# Allegro board S071AA-0413-20260427_Power3.brd (continued)
## Nets (continued)
UT4_UW07: UTL4.B06
UT4_UW08: UTL4.A07
UT4_UW09: UTL4.B08
UT4_UW10: UTL4.A09
UT4_UW11: UTL4.B10
UT4_UW12: UTL4.A11
UT4_UW13: UTL4.B12
UT4_UW14: UTL4.A13
UT4_UW15: UTL4.B14
N18284685: KB2-4.1(TP) KS2.4
N18284703: LDB2.1(A) LRB2.2
N18284711: KB2-3.1(TP) KS2.3
N18284713: KB2-6.1(TP) KS2.6
N18284719: KB2-7.1(TP) KS2.7
N18284723: LDB3.1(A) LRB3.2
N18284731: KB1-4.1(TP) KS1.4
N18284735: KB1-3.1(TP) KS1.3
N18284737: KB1-6.1(TP) KS1.6
N18284739: KB1-7.1(TP) KS1.7
N18284747: KB1-2.1(TP) KS1.2
N18284749: KB1-8.1(TP) KS1.8
N18284751: KB2-2.1(TP) KS2.2
N18284753: KB2-8.1(TP) KS2.8
N18285026: LDB4.1(A) LRB4.2
N18285036: LDB5.1(A) LRB5.2
N18285067: KB4-4.1(TP) KS4.4
N18285069: KB4-5.1(TP) KS4.5
N18285071: KB4-8.1(TP) KS4.8
N18285089: KB3-8.1(TP) KS3.8
N18285091: KB3-4.1(TP) KS3.4
N18285093: KB3-5.1(TP) KS3.5
N18285182: LDB1.1(A) LRB1.1
N22954976: LD15.1(A) R15.1
N22955016: LD16.1(A) R16.1
N22955678: LD1.1(A) R1.1
N22955710: LD2.1(A) R2.1
N22955758: LD3.1(A) R3.1
N22955802: LD4.1(A) R4.1
N22955842: LD5.1(A) R5.1
N22955878: LD6.1(A) R6.1
N22955926: LD7.1(A) R7.1
N22955970: LD8.1(A) R8.1
N22956024: LD9.1(A) R9.1
N22956064: LD10.1(A) R10.1
N22956104: LD11.1(A) R11.1
N22956144: LD12.1(A) R12.1
N22956184: LD13.1(A) R13.1
N22956224: LD14.1(A) R14.1
N22963164: LD19.1(A) R19.1
N22963523: LD20.1(A) R20.1
N22963871: LD21.1(A) R21.1
N22964216: LD22.1(A) R22.1
N22964605: LD23.1(A) R23.1
N22964637: LD24.1(A) R24.1
N22965490: LD17.1(A) R17.1
N22965526: LD18.1(A) R18.1
N22974884: LD25.1(A) R25.1
N22974900: LD26.1(A) R26.1
N22974958: LD29.1(A) R29.1
N22975006: LD27.1(A) R27.1
N22975038: LD28.1(A) R28.1
N22975098: LD30.1(A) R30.1
N22976209: LD31.1(A) R31.1
N22976245: LD32.1(A) R32.1
N22984719: LD33.1(A) R33.1
N22984755: LD34.1(A) R34.1
N22984791: LD35.1(A) R35.1
N22984831: LD36.1(A) R36.1
N22984875: LD37.1(A) R37.1
N22984899: LD38.1(A) R38.1
N22984935: LD39.1(A) R39.1
N22984991: LD40.1(A) R40.1
N22985097: LD41.1(A) R41.1
N22985125: LD42.1(A) R42.1
N22988922: LD43.1(A) R43.1
N22989162: LD44.1(A) R44.1
N23040624: LD45.1(A) R45.1
N23040666: K45.4 OSC1.3(OUT)
N23043619: R123.1 R124.1 SH3.2
N23043647: R127.1 R128.1 SH4.2
N23050554: LD46.1(A) R46.1
N23057413: R129.1 R130.1 SH5.2
N23057441: R133.1 R134.1 SH6.2
N23058541: R135.1 R136.1 SH7.2
N23058569: R139.1 R140.1 SH8.2
N23059275: R141.1 R142.1 SH9.2
N23059303: R145.1 R146.1 SH10.2
N23060072: R147.1 R148.1 SH11.2
N23060100: R151.1 R152.1 SH12.2
N23060930: R153.1 R154.1 SH13.2
N23060958: R157.1 R158.1 SH14.2
N23062789: R159.1 R160.1 SH15.2
N23062817: R163.1 R164.1 SH16.2

Pads without a net: BGA289-12X12-P0.65 1; CSDPS225 A17 B17 C17 D17; CSDPS226 A17 D17; CSDPS229 A17 B17 C17 D17; CSDPS425 A17 B17 C17 D17; CSDPS426 A17 D17; CSDPS429 A17 B17 C17 D17; D101 17 A17 B17; D102 17 A17 B17; D103 17 A17 B17; D104 17 A17 B17; D105 17 A17 B17; D106 17 A17 B17; D107 17 A17 B17; D108 17 A17 B17; D109 17 A17 B17; D110 17 A17 B17; D111 17 A17 B17; D112 17 A17 B17; D113 17 A17 B17; D114 17 A17 B17; D115 17 A17 B17; D116 17 A17 B17; D117 17 A17 B17; D118 17 A17 B17; D119 17 A17 B17; D120 17 A17 B17; D121 17 A17 B17; D122 17 A17 B17; D123 17 A17 B17; D124 17 A17 B17; D227 01 02 03 05 06 07 08 09 10 11 12 13 14 15 16 17; D228 01 02 03 05 06 07 08 09 10 11 12 13 14 15 16 17; D301 01 02 03 04 05 06 07 08 09 10 11 12 13 14 15 16 17 A1 A2 A3 A4 A5 A6 A7 A8 A9 A10 A11 A12 A13 A14 A15 A16 A17 B1 B2 B3 B4 B5 B6 B7 B8 B9 B10 B11 B12 B13 B14 B15 B16 B17; D302 01 02 03 04 05 06 07 08 09 10 11 12 13 14 15 16 17 A1 A2 A3 A4 A5 A6 A7 A8 A9 A10 A11 A12 A13 A14 A15 A16 A17 B1 B2 B3 B4 B5 B6 B7 B8 B9 B10 B11 B12 B13 B14 B15 B16 B17; D303 01 02 03 04 05 06 07 08 09 10 11 12 13 14 15 16 17 A1 A2 A3 A4 A5 A6 A7 A8 A9 A10 A11 A12 A13 A14 A15 A16 A17 B1 B2 B3 B4 B5 B6 B7 B8 B9 B10 B11 B12 B13 B14 B15 B16 B17; D304 01 02 03 04 05 06 07 08 09 10 11 12 13 14 15 16 17 A1 A2 A3 A4 A5 A6 A7 A8 A9 A10 A11 A12 A13 A14 A15 A16 A17 B1 B2 B3 B4 B5 B6 B7 B8 B9 B10 B11 B12 B13 B14 B15 B16 B17; D305 01 02 03 04 05 06 07 08 09 10 11 12 13 14 15 16 17 A1 A2 A3 A4 A5 A6 A7 A8 A9 A10 A11 A12 A13 A14 A15 A16 A17 B1 B2 B3 B4 B5 B6 B7 B8 B9 B10 B11 B12 B13 B14 B15 B16 B17; D306 01 02 03 04 05 06 07 08 09 10 11 12 13 14 15 16 17 A1 A2 A3 A4 A5 A6 A7 A8 A9 A10 A11 A12 A13 A14 A15 A16 A17 B1 B2 B3 B4 B5 B6 B7 B8 B9 B10 B11 B12 B13 B14 B15 B16 B17; D307 01 02 03 04 05 06 07 08 09 10 11 12 13 14 15 16 17 A1 A2 A3 A4 A5 A6 A7 A8 A9 A10 A11 A12 A13 A14 A15 A16 A17 B1 B2 B3 B4 B5 B6 B7 B8 B9 B10 B11 B12 B13 B14 B15 B16 B17; D308 01 02 03 04 05 06 07 08 09 10 11 12 13 14 15 16 17 A1 A2 A3 A4 A5 A6 A7 A8 A9 A10 A11 A12 A13 A14 A15 A16 A17 B1 B2 B3 B4 B5 B6 B7 B8 B9 B10 B11 B12 B13 B14 B15 B16 B17; D309 01 02 03 04 05 06 07 08 09 10 11 12 13 14 15 16 17 A1 A2 A3 A4 A5 A6 A7 A8 A9 A10 A11 A12 A13 A14 A15 A16 A17 B1 B2 B3 B4 B5 B6 B7 B8 B9 B10 B11 B12 B13 B14 B15 B16 B17; D310 01 02 03 04 05 06 07 08 09 10 11 12 13 14 15 16 17 A1 A2 A3 A4 A5 A6 A7 A8 A9 A10 A11 A12 A13 A14 A15 A16 A17 B1 B2 B3 B4 B5 B6 B7 B8 B9 B10 B11 B12 B13 B14 B15 B16 B17; D311 01 02 03 04 05 06 07 08 09 10 11 12 13 14 15 16 17 A1 A2 A3 A4 A5 A6 A7 A8 A9 A10 A11 A12 A13 A14 A15 A16 A17 B1 B2 B3 B4 B5 B6 B7 B8 B9 B10 B11 B12 B13 B14 B15 B16 B17; D312 01 02 03 04 05 06 07 08 09 10 11 12 13 14 15 16 17 A1 A2 A3 A4 A5 A6 A7 A8 A9 A10 A11 A12 A13 A14 A15 A16 A17 B1 B2 B3 B4 B5 B6 B7 B8 B9 B10 B11 B12 B13 B14 B15 B16 B17; D313 01 02 03 04 05 06 07 08 09 10 11 12 13 14 15 16 17 A1 A2 A3 A4 A5 A6 A7 A8 A9 A10 A11 A12 A13 A14 A15 A16 A17 B1 B2 B3 B4 B5 B6 B7 B8 B9 B10 B11 B12 B13 B14 B15 B16 B17; D314 01 02 03 04 05 06 07 08 09 10 11 12 13 14 15 16 17 A1 A2 A3 A4 A5 A6 A7 A8 A9 A10 A11 A12 A13 A14 A15 A16 A17 B1 B2 B3 B4 B5 B6 B7 B8 B9 B10 B11 B12 B13 B14 B15 B16 B17; D315 01 02 03 04 05 06 07 08 09 10 11 12 13 14 15 16 17 A1 A2 A3 A4 A5 A6 A7 A8 A9 A10 A11 A12 A13 A14 A15 A16 A17 B1 B2 B3 B4 B5 B6 B7 B8 B9 B10 B11 B12 B13 B14 B15 B16 B17; D316 01 02 03 04 05 06 07 08 09 10 11 12 13 14 15 16 17 A1 A2 A3 A4 A5 A6 A7 A8 A9 A10 A11 A12 A13 A14 A15 A16 A17 B1 B2 B3 B4 B5 B6 B7 B8 B9 B10 B11 B12 B13 B14 B15 B16 B17; D317 01 02 03 04 05 06 07 08 09 10 11 12 13 14 15 16 17 A1 A2 A3 A4 A5 A6 A7 A8 A9 A10 A11 A12 A13 A14 A15 A16 A17 B1 B2 B3 B4 B5 B6 B7 B8 B9 B10 B11 B12 B13 B14 B15 B16 B17; D318 01 02 03 04 05 06 07 08 09 10 11 12 13 14 15 16 17 A1 A2 A3 A4 A5 A6 A7 A8 A9 A10 A11 A12 A13 A14 A15 A16 A17 B1 B2 B3 B4 B5 B6 B7 B8 B9 B10 B11 B12 B13 B14 B15 B16 B17; D319 01 02 03 04 05 06 07 08 09 10 11 12 13 14 15 16 17 A1 A2 A3 A4 A5 A6 A7 A8 A9 A10 A11 A12 A13 A14 A15 A16 A17 B1 B2 B3 B4 B5 B6 B7 B8 B9 B10 B11 B12 B13 B14 B15 B16 B17; D320 01 02 03 04 05 06 07 08 09 10 11 12 13 14 15 16 17 A1 A2 A3 A4 A5 A6 A7 A8 A9 A10 A11 A12 A13 A14 A15 A16 A17 B1 B2 B3 B4 B5 B6 B7 B8 B9 B10 B11 B12 B13 B14 B15 B16 B17; D321 01 02 03 04 05 06 07 08 09 10 11 12 13 14 15 16 17 A1 A2 A3 A4 A5 A6 A7 A8 A9 A10 A11 A12 A13 A14 A15 A16 A17 B1 B2 B3 B4 B5 B6 B7 B8 B9 B10 B11 B12 B13 B14 B15 B16 B17; D322 01 02 03 04 05 06 07 08 09 10 11 12 13 14 15 16 17 A1 A2 A3 A4 A5 A6 A7 A8 A9 A10 A11 A12 A13 A14 A15 A16 A17 B1 B2 B3 B4 B5 B6 B7 B8 B9 B10 B11 B12 B13 B14 B15 B16 B17; D323 01 02 03 04 05 06 07 08 09 10 11 12 13 14 15 16 17 A1 A2 A3 A4 A5 A6 A7 A8 A9 A10 A11 A12 A13 A14 A15 A16 A17 B1 B2 B3 B4 B5 B6 B7 B8 B9 B10 B11 B12 B13 B14 B15 B16 B17; D324 01 02 03 04 05 06 07 08 09 10 11 12 13 14 15 16 17 A1 A2 A3 A4 A5 A6 A7 A8 A9 A10 A11 A12 A13 A14 A15 A16 A17 B1 B2 B3 B4 B5 B6 B7 B8 B9 B10 B11 B12 B13 B14 B15 B16 B17; D427 01 02 03 04 05 06 07 08 09 10 11 12 13 14 15 16 17; D428 01 02 03 04 05 06 07 08 09 10 11 12 13 14 15 16 17; DPS1 A04 A08 A10 A14 B04 B08 B10 B14 C04 C08 C10 C14; DPS2 A04 A08 A10 A14 B04 B08 B10 B14 C04 C08 C10 C14; DPS3 A04 A08 A10 A14 B04 B08 B10 B14 C04 C08 C10 C14; DPS8 A04 A08 A10 A14 B04 B08 B10 B14 C04 C08 C10 C14; FD1 1; FD2 1; FD3 1; FD4 1; FD5 1; FD6 1; FD7 1; FD8 1; FD9 1; FD10 1; FD11 1; FD12 1; FD13 1; FD14 1; FD15 1; FD16 1; FSS0AS071A 1; JG-250905AA011 1; K1 2; K2 2; K3 2; K4 2; K5 2; K6 2; K7 2; K8 2; K9 2; K10 2; K11 2; K12 2; K13 2; K14 2; K15 2; K16 2; K17 2; K18 2; K19 2; K20 2; K21 2; K22 2; K23 2; K24 2; K25 2; K26 2; K27 2; K28 2; K29 2; K30 2; K31 2; K32 2; K33 2; K34 2; K35 2; K36 2; K37 2; K38 2; K39 2; K40 2; K41 2; K42 2; K43 2; K44 2; K45 5 6 7; K46 2 7; KS3 2; KS4 2; LOGO1 1; LOGO2 1; M5 1; OSC1 1; SCREW1 NUT19 NUT20 NUT21 NUT22; SITE1 NUT1 NUT2 NUT3 NUT4 NUT5 NUT6 NUT7 NUT8; UNK038FY-S135BB14Q-A100 1; UNK980FY-S071AA-1AH 1; UTL1 A17 B17; UTL2 A17 B17; UTL3 A17 B17; UTL4 A17 B17

## Via types
v1: diameter 0.61, hole 0.305, TOP to BOTTOM, 1094 vias
v2: diameter 0.305, hole 0.152, TOP to BOTTOM, 358 vias

## Routing (per net, layer and track width the routed paths; a pad name or vN(x,y) marks a point on that pad's centre or on a via; arc(x,y) is an arc through that point)
AGND: length 94137.5
  TOP w0.152: D110.B15 241.57,351.59 ; D110.B15 240.5,350.52 ; D110.B15 242.64,350.52 ; D110.B15 241.57,349.45 ; D116.A6 190.77,394.77 ; D116.A6 191.84,393.7 ; D116.A6 190.77,392.63 ; D116.A6 189.7,393.7 ; 90.64,35.56 D124.A2 ; D124.A2 91.71,36.63 ; D124.A2 92.78,35.56 ; D124.A2 91.71,34.49 ; D124.B11 114.57,39.17 ; D124.B11 113.5,38.1 ; D124.B11 115.64,38.1 ; D124.B11 114.57,37.03 ; 240.5,58.42 D107.B3 ; D107.B3 241.57,57.35 ; D107.B3 242.64,58.42 ; D107.B3 241.57,59.49 ; D107.B13 266.97,59.49 ; D107.B13 266.97,57.35 ; D107.B13 265.9,58.42 ; D107.B13 268.04,58.42 ; D112.A9 256.81,397.31 ; D112.A9 257.88,396.24 ; D112.A9 256.81,395.17 ; D112.A9 255.74,396.24 ; 189.7,368.3 D115.B6 ; D115.B6 191.84,368.3 ; D115.B6 190.77,367.23 ; D115.B6 190.77,369.37 ; 261.89,349.45 D110.B7 ; D110.B7 262.96,350.52 ; D110.B7 260.82,350.52 ; D110.B7 261.89,351.59 ; 235.42,73.66 D106.A1 ; D106.A1 236.49,72.59 ; D106.A1 236.49,74.73 ; D106.A1 237.56,73.66 ; 239.03,80.21 D106.B2 ; D106.B2 239.03,82.35 ; D106.B2 240.1,81.28 ; D106.B2 237.96,81.28 ; D122.B16 127.27,82.35 ; D122.B16 128.34,81.28 ; D122.B16 127.27,80.21 ; D122.B16 126.2,81.28 ; DPS1.A15 273.12,13.97 ; DPS1.A15 270.98,13.97 ; DPS1.A15 272.05,15.04 ; DPS1.A15 272.05,12.9 ; 14.44,401.32 D432.B17 ; D432.B17 15.51,402.39 ; D432.B17 16.58,401.32 ; D432.B17 15.51,400.25 ; 113.5,73.66 D122.A11 ; D122.A11 114.57,74.73 ; D122.A11 114.57,72.59 ; D122.A11 115.64,73.66 ; D231.A10 34.36,373.38 ; D231.A10 33.29,374.45 ; D231.A10 32.22,373.38 ; D231.A10 33.29,372.31 ; D232.A11 30.75,397.31 ; D232.A11 30.75,395.17 ; D232.A11 29.68,396.24 ; D232.A11 31.82,396.24 ; D115.B1 204.54,370.84 ; D115.B1 202.4,370.84 ; D115.B1 203.47,371.91 ; D115.B1 203.47,369.77 ; 175.53,54.81 D103.A6 ; D103.A6 175.53,56.95 ; D103.A6 176.6,55.88 ; D103.A6 174.46,55.88 ; 109.49,329.13 CSDPS225.C9 ; CSDPS225.C9 110.56,330.2 ; CSDPS225.C9 109.49,331.27 ; CSDPS225.C9 108.42,330.2 ; D232.B15 20.59,392.23 ; D232.B15 20.59,390.09 ; D232.B15 19.52,391.16 ; D232.B15 21.66,391.16 ; 25.67,339.29 CSDPS429.C13 ; CSDPS429.C13 26.74,340.36 ; CSDPS429.C13 25.67,341.43 ; CSDPS429.C13 24.6,340.36 ; D120.B5 26.74,38.1 ; D120.B5 24.6,38.1 ; D120.B5 25.67,39.17 ; D120.B5 25.67,37.03 ; 50,73.66 D118.A15 ; D118.A15 51.07,74.73 ; D118.A15 52.14,73.66 ; D118.A15 51.07,72.59 ; D427.B10 108.02,378.46 ; D427.B10 105.88,378.46 ; D427.B10 106.95,377.39 ; D427.B10 106.95,379.53 ; 187.16,391.16 D116.B7 ; D116.B7 188.23,392.23 ; D116.B7 188.23,390.09 ; D116.B7 189.3,391.16 ; D228.B5 120.72,391.16 ; D228.B5 118.58,391.16 ; D228.B5 119.65,390.09 ; D228.B5 119.65,392.23 ; 197.32,355.6 D114.A3 ; D114.A3 199.46,355.6 ; D114.A3 198.39,356.67 ; D114.A3 198.39,354.53 ; 272.05,334.21 D109.A3 ; D109.A3 272.05,336.35 ; D109.A3 270.98,335.28 ; D109.A3 273.12,335.28 ; CSDPS225.B4 123.26,332.74 ; CSDPS225.B4 122.19,331.67 ; CSDPS225.B4 121.12,332.74 ; CSDPS225.B4 122.19,333.81 ; D113.B16 166.44,327.66 ; D113.B16 165.37,328.73 ; D113.B16 165.37,326.59 ; D113.B16 164.3,327.66 ; 45.87,361.95 UHC430.G2 ; UHC430.G2 46.68,362.76 ; UHC430.G2 46.68,361.14 ; UHC430.G2 47.49,361.95 ; D123.A11 114.57,54.41 ; D123.A11 114.57,52.27 ; D123.A11 115.64,53.34 ; D123.A11 113.5,53.34 ; D124.A9 110.56,33.02 ; D124.A9 108.42,33.02 ; D124.A9 109.49,31.95 ; D124.A9 109.49,34.09 ; 169.38,60.96 D103.B4 ; D103.B4 170.45,62.03 ; D103.B4 170.45,59.89 ; D103.B4 171.52,60.96 ; 90.64,378.46 D427.B16 ; D427.B16 91.71,379.53 ; D427.B16 92.78,378.46 ; D427.B16 91.71,377.39 ; D228.A14 97.86,393.7 ; D228.A14 95.72,393.7 ; D228.A14 96.79,392.63 ; D228.A14 96.79,394.77 ; 182.08,38.1 D104.B9 ; D104.B9 184.22,38.1 ; D104.B9 183.15,37.03 ; D104.B9 183.15,39.17 ; D118.B1 15.51,79.81 ; D118.B1 16.58,78.74 ; D118.B1 14.44,78.74 ; D118.B1 15.51,77.67 ; 39.84,391.16 D232.B7 ; D232.B7 41.98,391.16 ; D232.B7 40.91,390.09 ; D232.B7 40.91,392.23 ; 127.27,54.81 D123.A16 ; D123.A16 128.34,55.88 ; D123.A16 126.2,55.88 ; D123.A16 127.27,56.95 ; DPS2.A15 168.98,415.29 ; DPS2.A15 167.91,414.22 ; DPS2.A15 167.91,416.36 ; DPS2.A15 166.84,415.29 ; 94.25,329.13 CSDPS225.C15 ; CSDPS225.C15 93.18,330.2 ; CSDPS225.C15 94.25,331.27 ; CSDPS225.C15 95.32,330.2 ; 189.7,332.74 D113.A6 ; D113.A6 191.84,332.74 ; D113.A6 190.77,331.67 ; D113.A6 190.77,333.81 ; 169.38,101.6 D101.B4 ; D101.B4 170.45,102.67 ; D101.B4 171.52,101.6 ; D101.B4 170.45,100.53 ; D120.A10 38.37,36.63 ; D120.A10 39.44,35.56 ; D120.A10 38.37,34.49 ; D120.A10 37.3,35.56 ; 37.3,398.78 D432.B8 ; D432.B8 38.37,397.71 ; D432.B8 39.44,398.78 ; D432.B8 38.37,399.85 ; 20.59,369.77 D231.B15 ; D231.B15 20.59,371.91 ; D231.B15 19.52,370.84 ; D231.B15 21.66,370.84 ; D428.B5 120.72,401.32 ; D428.B5 119.65,402.39 ; D428.B5 119.65,400.25 ; D428.B5 118.58,401.32 ; 243.04,327.66 D109.B14 ; D109.B14 244.11,326.59 ; D109.B14 244.11,328.73 ; D109.B14 245.18,327.66 ; 200.93,331.67 D113.A2 ; D113.A2 199.86,332.74 ; D113.A2 200.93,333.81 ; D113.A2 202,332.74 ; 56.15,329.13 CSDPS229.C1 ; CSDPS229.C1 55.08,330.2 ; CSDPS229.C1 57.22,330.2 ; CSDPS229.C1 56.15,331.27 ; CSDPS426.C15 95.32,360.68 ; CSDPS426.C15 93.18,360.68 ; CSDPS426.C15 94.25,359.61 ; CSDPS426.C15 94.25,361.75 ; D232.B9 36.9,391.16 ; D232.B9 35.83,390.09 ; D232.B9 34.76,391.16 ; D232.B9 35.83,392.23 ; D432.A17 16.58,406.4 ; D432.A17 14.44,406.4 ; D432.A17 15.51,405.33 ; D432.A17 15.51,407.47 ; 40.91,379.93 D431.B7 ; D431.B7 41.98,381 ; D431.B7 40.91,382.07 ; D431.B7 39.84,381 ; D227.A3 124.73,376.99 ; D227.A3 125.8,375.92 ; D227.A3 123.66,375.92 ; D227.A3 124.73,374.85 ; D105.B6 250.26,101.6 ; D105.B6 249.19,102.67 ; D105.B6 249.19,100.53 ; D105.B6 248.12,101.6 ; CSDPS229.C13 25.67,331.27 ; CSDPS229.C13 24.6,330.2 ; CSDPS229.C13 26.74,330.2 ; CSDPS229.C13 25.67,329.13 ; D114.A9 184.22,355.6 ; D114.A9 182.08,355.6 ; D114.A9 183.15,354.53 ; D114.A9 183.15,356.67 ; 183.15,395.17 D116.A9 ; D116.A9 184.22,396.24 ; D116.A9 183.15,397.31 ; D116.A9 182.08,396.24 ; 274.59,387.55 D112.B2 ; D112.B2 274.59,389.69 ; D112.B2 273.52,388.62 ; D112.B2 275.66,388.62 ; 106.95,397.71 D428.B10 ; D428.B10 106.95,399.85 ; D428.B10 105.88,398.78 ; D428.B10 108.02,398.78 ; DPS8.C05 45.99,411.28 ; DPS8.C05 44.92,410.21 ; DPS8.C05 47.06,410.21 ; DPS8.C05 45.99,409.14 ; 276.06,355.6 D110.A1 ; D110.A1 278.2,355.6 ; D110.A1 277.13,354.53 ; D110.A1 277.13,356.67 ; D431.A10 34.36,383.54 ; D431.A10 32.22,383.54 ; D431.A10 33.29,384.61 ; D431.A10 33.29,382.47 ; D232.B10 34.36,388.62 ; D232.B10 33.29,387.55 ; D232.B10 32.22,388.62 ; D232.B10 33.29,389.69 ; D227.B8 112.03,369.37 ; D227.B8 110.96,368.3 ; D227.B8 112.03,367.23 ; D227.B8 113.1,368.3 ; D112.B1 278.2,391.16 ; D112.B1 277.13,390.09 ; D112.B1 277.13,392.23 ; D112.B1 276.06,391.16 ; D118.B4 23.13,82.35 ; D118.B4 22.06,81.28 ; D118.B4 24.2,81.28 ; D118.B4 23.13,80.21 ; D116.B2 200.93,389.69 ; D116.B2 202,388.62 ; D116.B2 200.93,387.55 ; D116.B2 199.86,388.62 ; 101.87,54.81 D123.A6 ; D123.A6 100.8,55.88 ; D123.A6 102.94,55.88 ; D123.A6 101.87,56.95 ; 110.96,393.7 D228.A8 ; D228.A8 112.03,392.63 ; D228.A8 113.1,393.7 ; D228.A8 112.03,394.77 ; 185.69,95.45 D101.A10 ; D101.A10 186.76,96.52 ; D101.A10 184.62,96.52 ; D101.A10 185.69,97.59 ; 27.14,398.78 D432.B12 ; D432.B12 28.21,399.85 ; D432.B12 29.28,398.78 ; D432.B12 28.21,397.71 ; 199.86,327.66 D113.B2 ; D113.B2 202,327.66 ; D113.B2 200.93,326.59 ; D113.B2 200.93,328.73 ; D121.B11 114.57,100.13 ; D121.B11 113.5,99.06 ; D121.B11 115.64,99.06 ; D121.B11 114.57,97.99 ; 27.14,373.38 D231.A12 ; D231.A12 28.21,374.45 ; D231.A12 29.28,373.38 ; D231.A12 28.21,372.31 ; D119.A3 20.59,54.41 ; D119.A3 19.52,53.34 ; D119.A3 20.59,52.27 ; D119.A3 21.66,53.34 ; D112.B9 256.81,392.23 ; D112.B9 255.74,391.16 ; D112.B9 256.81,390.09 ; D112.B9 257.88,391.16 ; CSDPS229.C5 47.06,330.2 ; CSDPS229.C5 44.92,330.2 ; CSDPS229.C5 45.99,331.27 ; CSDPS229.C5 45.99,329.13 ; 40.91,374.85 D231.A7 ; D231.A7 39.84,375.92 ; D231.A7 40.91,376.99 ; D231.A7 41.98,375.92 ; D231.B5 45.99,371.91 ; D231.B5 44.92,370.84 ; D231.B5 45.99,369.77 ; D231.B5 47.06,370.84 ; D114.A13 174.06,355.6 ; D114.A13 171.92,355.6 ; D114.A13 172.99,356.67 ; D114.A13 172.99,354.53 ; 39.54,156.72 KS4.7 ; KS4.7 40.66,157.84 ; KS4.7 40.66,155.6 ; KS4.7 41.77,156.72 ; CSDPS426.B10 108.02,363.22 ; CSDPS426.B10 106.95,364.29 ; CSDPS426.B10 106.95,362.15 ; CSDPS426.B10 105.88,363.22 ; 38.37,341.83 CSDPS429.B8 ; CSDPS429.B8 39.44,342.9 ; CSDPS429.B8 37.3,342.9 ; CSDPS429.B8 38.37,343.97 ; 183.15,349.45 D114.B9 ; D114.B9 183.15,351.59 ; D114.B9 182.08,350.52 ; D114.B9 184.22,350.52 ; KS4.6 53.36,157.84 ; KS4.6 54.47,156.72 ; KS4.6 53.36,155.6 ; KS4.6 52.24,156.72 ; D118.B14 48.53,82.35 ; D118.B14 49.6,81.28 ; D118.B14 48.53,80.21 ; D118.B14 47.46,81.28 ; 121.12,363.22 CSDPS426.B4 ; CSDPS426.B4 122.19,362.15 ; CSDPS426.B4 122.19,364.29 ; CSDPS426.B4 123.26,363.22 ; 23.13,397.71 D432.B14 ; D432.B14 23.13,399.85 ; D432.B14 24.2,398.78 ; D432.B14 22.06,398.78 ; D117.A11 41.98,93.98 ; D117.A11 40.91,92.91 ; D117.A11 40.91,95.05 ; D117.A11 39.84,93.98 ; CSDPS225.B12 101.87,333.81 ; CSDPS225.B12 102.94,332.74 ; CSDPS225.B12 101.87,331.67 ; CSDPS225.B12 100.8,332.74 ; 251.73,57.35 D107.B7 ; D107.B7 250.66,58.42 ; D107.B7 251.73,59.49 ; D107.B7 252.8,58.42 ; 14.44,93.98 D117.A1 ; D117.A1 16.58,93.98 ; D117.A1 15.51,92.91 ; D117.A1 15.51,95.05 ; D107.A14 270.58,55.88 ; D107.A14 269.51,56.95 ; D107.A14 269.51,54.81 ; D107.A14 268.44,55.88 ; D122.A10 113.1,76.2 ; D122.A10 112.03,77.27 ; D122.A10 110.96,76.2 ; D122.A10 112.03,75.13 ; 177,410.21 DPS2.C11 ; DPS2.C11 178.07,409.14 ; DPS2.C11 179.14,410.21 ; DPS2.C11 178.07,411.28 ; 195.85,326.59 D113.B4 ; D113.B4 194.78,327.66 ; D113.B4 196.92,327.66 ; D113.B4 195.85,328.73 ; 177,396.24 D116.A11 ; D116.A11 179.14,396.24 ; D116.A11 178.07,397.31 ; D116.A11 178.07,395.17 ; 272.05,97.99 D105.B15 ; D105.B15 272.05,100.13 ; D105.B15 273.12,99.06 ; D105.B15 270.98,99.06 ; D431.A17 15.51,387.15 ; D431.A17 15.51,385.01 ; D431.A17 14.44,386.08 ; D431.A17 16.58,386.08 ; 254.27,75.13 D106.A8 ; D106.A8 255.34,76.2 ; D106.A8 253.2,76.2 ; D106.A8 254.27,77.27 ; 16.07,355.29 UHC230.G4_2 ; UHC230.G4_2 16.88,356.1 ; UHC230.G4_2 16.88,354.48 ; UHC230.G4_2 17.69,355.29 ; 98.26,93.98 D121.A5 ; D121.A5 100.4,93.98 ; D121.A5 99.33,92.91 ; D121.A5 99.33,95.05 ; D120.A9 35.83,34.09 ; D120.A9 35.83,31.95 ; D120.A9 34.76,33.02 ; D120.A9 36.9,33.02 ; D428.B11 105.48,401.32 ; D428.B11 104.41,400.25 ; D428.B11 104.41,402.39 ; D428.B11 103.34,401.32 ; D123.B1 90.24,58.42 ; D123.B1 89.17,57.35 ; D123.B1 88.1,58.42 ; D123.B1 89.17,59.49 ; D431.B10 34.36,378.46 ; D431.B10 32.22,378.46 ; D431.B10 33.29,379.53 ; D431.B10 33.29,377.39 ; 270.98,330.2 D109.B3 ; D109.B3 272.05,329.13 ; D109.B3 273.12,330.2 ; D109.B3 272.05,331.27 ; 44.92,415.29 DPS8.A05 ; DPS8.A05 45.99,416.36 ; DPS8.A05 45.99,414.22 ; DPS8.A05 47.06,415.29 ; D103.A14 196.92,55.88 ; D103.A14 195.85,54.81 ; D103.A14 194.78,55.88 ; D103.A14 195.85,56.95 ; D119.A10 38.37,56.95 ; D119.A10 39.44,55.88 ; D119.A10 38.37,54.81 ; D119.A10 37.3,55.88 ; 167.91,409.14 DPS2.C15 ; DPS2.C15 166.84,410.21 ; DPS2.C15 168.98,410.21 ; DPS2.C15 167.91,411.28 ; D121.A7 104.41,95.05 ; D121.A7 103.34,93.98 ; D121.A7 105.48,93.98 ; D121.A7 104.41,92.91 ; D232.A4 48.53,394.77 ; D232.A4 49.6,393.7 ; D232.A4 47.46,393.7 ; D232.A4 48.53,392.63 ; CSDPS426.C9 110.56,360.68 ; CSDPS426.C9 109.49,359.61 ; CSDPS426.C9 109.49,361.75 ; CSDPS426.C9 108.42,360.68 ; D115.A8 185.69,374.45 ; D115.A8 185.69,372.31 ; D115.A8 184.62,373.38 ; D115.A8 186.76,373.38 ; UHC430.G1_12 17.69,358.45 ; UHC430.G1_12 16.07,358.45 ; UHC430.G1_12 16.88,359.26 ; UHC430.G1_12 16.88,357.64 ; D108.A11 262.96,33.02 ; D108.A11 260.82,33.02 ; D108.A11 261.89,31.95 ; D108.A11 261.89,34.09 ; DPS8.A15 20.59,416.36 ; DPS8.A15 19.52,415.29 ; DPS8.A15 21.66,415.29 ; DPS8.A15 20.59,414.22 ; D105.B13 266.97,100.13 ; D105.B13 268.04,99.06 ; D105.B13 265.9,99.06 ; D105.B13 266.97,97.99 ; 187.16,73.66 D102.A11 ; D102.A11 188.23,74.73 ; D102.A11 189.3,73.66 ; D102.A11 188.23,72.59 ; DPS1.A05 247.72,13.97 ; DPS1.A05 245.58,13.97 ; DPS1.A05 246.65,15.04 ; DPS1.A05 246.65,12.9 ; 254.27,387.55 D112.B10 ; D112.B10 255.34,388.62 ; D112.B10 253.2,388.62 ; D112.B10 254.27,389.69 ; 23.13,392.63 D232.A14 ; D232.A14 23.13,394.77 ; D232.A14 22.06,393.7 ; D232.A14 24.2,393.7 ; 177,415.29 DPS2.A11 ; DPS2.A11 178.07,416.38 178.74,417.05 SB13.1 ; DPS2.A11 178.07,414.22 ; DPS2.A11 179.14,415.29 ; D117.B8 33.29,102.67 ; D117.B8 33.29,100.53 ; D117.B8 34.36,101.6 ; D117.B8 32.22,101.6 ; 19.18,364.64 UHC430.G1_1 ; UHC430.G1_1 19.18,366.26 ; UHC430.G1_1 18.37,365.45 ; UHC430.G1_1 19.99,365.45 ; D121.A15 124.73,95.05 ; D121.A15 123.66,93.98 ; D121.A15 124.73,92.91 ; D121.A15 125.8,93.98 ; D227.B12 102.94,368.3 ; D227.B12 101.87,369.37 ; D227.B12 101.87,367.23 ; D227.B12 100.8,368.3 ; D427.A13 100.4,386.08 ; D427.A13 99.33,385.01 ; D427.A13 99.33,387.15 ; D427.A13 98.26,386.08 ; D118.A12 44.52,76.2 ; D118.A12 43.45,77.27 ; D118.A12 42.38,76.2 ; D118.A12 43.45,75.13 ; SB15.1 31.4,416.93 30.75,416.28 DPS8.A11 ; 93.18,381 D427.B15 ; D427.B15 95.32,381 ; D427.B15 94.25,379.93 ; D427.B15 94.25,382.07 ; D228.A7 114.57,397.31 ; D228.A7 114.57,395.17 ; D228.A7 113.5,396.24 ; D228.A7 115.64,396.24 ; CSDPS425.B14 97.86,342.9 ; CSDPS425.B14 96.79,341.83 ; CSDPS425.B14 95.72,342.9 ; CSDPS425.B14 96.79,343.97 ; 268.44,393.7 D112.A4 ; D112.A4 269.51,394.77 ; D112.A4 270.58,393.7 ; D112.A4 269.51,392.63 ; D110.A6 264.43,354.13 ; D110.A6 265.5,353.06 ; D110.A6 263.36,353.06 ; D110.A6 264.43,351.99 ; D118.A6 29.28,76.2 ; D118.A6 28.21,77.27 ; D118.A6 27.14,76.2 ; D118.A6 28.21,75.13 ; D124.B9 109.49,39.17 ; D124.B9 109.49,37.03 ; D124.B9 110.56,38.1 ; D124.B9 108.42,38.1 ; 260.82,73.66 D106.A11 ; D106.A11 261.89,72.59 ; D106.A11 262.96,73.66 ; D106.A11 261.89,74.73 ; D103.A16 202,55.88 ; D103.A16 199.86,55.88 ; D103.A16 200.93,54.81 ; D103.A16 200.93,56.95 ; D101.A14 196.92,96.52 ; D101.A14 194.78,96.52 ; D101.A14 195.85,97.59 ; D101.A14 195.85,95.45 ; D119.B6 28.21,62.03 ; D119.B6 27.14,60.96 ; D119.B6 29.28,60.96 ; D119.B6 28.21,59.89 ; D102.B9 184.22,78.74 ; D102.B9 183.15,77.67 ; D102.B9 182.08,78.74 ; D102.B9 183.15,79.81 ; UHC230.G4_6 19.99,351.79 ; UHC230.G4_6 18.37,351.79 ; UHC230.G4_6 19.18,352.6 ; UHC230.G4_6 19.18,350.98 ; D227.A16 92.78,373.38 ; D227.A16 91.71,374.45 ; D227.A16 91.71,372.31 ; D227.A16 90.64,373.38 ; 272.05,374.85 D111.A3 ; D111.A3 270.98,375.92 ; D111.A3 272.05,376.99 ; D111.A3 273.12,375.92 ; D111.B7 262.96,370.84 ; D111.B7 260.82,370.84 ; D111.B7 261.89,371.91 ; D111.B7 261.89,369.77 ; D116.B13 172.99,392.23 ; D116.B13 172.99,390.09 ; D116.B13 174.06,391.16 ; D116.B13 171.92,391.16 ; D113.A9 184.22,335.28 ; D113.A9 183.15,334.21 ; D113.A9 183.15,336.35 ; D113.A9 182.08,335.28 ; 244.11,95.45 D105.A4 ; D105.A4 244.11,97.59 ; D105.A4 245.18,96.52 ; D105.A4 243.04,96.52 ; D231.A3 52.14,375.92 ; D231.A3 50,375.92 ; D231.A3 51.07,374.85 ; D231.A3 51.07,376.99 ; 192.24,415.29 DPS2.A05 ; DPS2.A05 194.38,415.29 ; DPS2.A05 193.31,414.22 ; DPS2.A05 193.31,416.36 ; D112.B11 252.8,391.16 ; D112.B11 250.66,391.16 ; D112.B11 251.73,392.23 ; D112.B11 251.73,390.09 ; 23.13,367.23 D231.B14 ; D231.B14 24.2,368.3 ; D231.B14 22.06,368.3 ; D231.B14 23.13,369.37 ; 166.84,38.1 D104.B3 ; D104.B3 167.91,39.17 ; D104.B3 168.98,38.1 ; D104.B3 167.91,37.03 ; D118.A9 36.9,73.66 ; D118.A9 35.83,72.59 ; D118.A9 34.76,73.66 ; D118.A9 35.83,74.73 ; D122.A3 95.32,73.66 ; D122.A3 93.18,73.66 ; D122.A3 94.25,74.73 ; D122.A3 94.25,72.59 ; D109.A2 274.59,333.81 ; D109.A2 275.66,332.74 ; D109.A2 273.52,332.74 ; D109.A2 274.59,331.67 ; 47.46,55.88 D119.A14 ; D119.A14 48.53,56.95 ; D119.A14 48.53,54.81 ; D119.A14 49.6,55.88 ; 28.21,331.67 CSDPS229.B12 ; CSDPS229.B12 28.21,333.81 ; CSDPS229.B12 29.28,332.74 ; CSDPS229.B12 27.14,332.74 ; 89.17,92.91 D121.A1 ; D121.A1 90.24,93.98 ; D121.A1 89.17,95.05 ; D121.A1 88.1,93.98 ; D106.A16 274.59,77.27 ; D106.A16 273.52,76.2 ; D106.A16 274.59,75.13 ; D106.A16 275.66,76.2 ; 103.34,78.74 D122.B7 ; D122.B7 104.41,77.67 ; D122.B7 104.41,79.81 ; D122.B7 105.48,78.74 ; 101.87,351.99 CSDPS226.B12 ; CSDPS226.B12 100.8,353.06 ; CSDPS226.B12 102.94,353.06 ; CSDPS226.B12 101.87,354.13 ; CSDPS229.C9 36.9,330.2 ; CSDPS229.C9 34.76,330.2 ; CSDPS229.C9 35.83,329.13 ; CSDPS229.C9 35.83,331.27 ; 249.19,34.49 D108.A6 ; D108.A6 250.26,35.56 ; D108.A6 249.19,36.63 ; D108.A6 248.12,35.56 ; D110.A9 257.88,355.6 ; D110.A9 255.74,355.6 ; D110.A9 256.81,354.53 ; D110.A9 256.81,356.67 ; 37.3,378.46 D431.B8 ; D431.B8 39.44,378.46 ; D431.B8 38.37,379.53 ; D431.B8 38.37,377.39 ; D103.B13 193.31,59.49 ; D103.B13 194.38,58.42 ; D103.B13 193.31,57.35 ; D103.B13 192.24,58.42 ; CSDPS425.B10 108.02,342.9 ; CSDPS425.B10 106.95,343.97 ; CSDPS425.B10 106.95,341.83 ; CSDPS425.B10 105.88,342.9 ; 172.99,72.59 D102.A5 ; D102.A5 172.99,74.73 ; D102.A5 171.92,73.66 ; D102.A5 174.06,73.66 ; 164.3,35.56 D104.A2 ; D104.A2 165.37,36.63 ; D104.A2 165.37,34.49 ; D104.A2 166.44,35.56 ; 16.98,96.52 D117.A2 ; D117.A2 18.05,97.59 ; D117.A2 19.12,96.52 ; D117.A2 18.05,95.45 ; 174.46,40.64 D104.B6 ; D104.B6 176.6,40.64 ; D104.B6 175.53,39.57 ; D104.B6 175.53,41.71 ; D432.A6 43.45,404.93 ; D432.A6 42.38,403.86 ; D432.A6 43.45,402.79 ; D432.A6 44.52,403.86 ; D110.A7 261.89,356.67 ; D110.A7 262.96,355.6 ; D110.A7 261.89,354.53 ; D110.A7 260.82,355.6 ; 95.72,81.28 D122.B4 ; D122.B4 97.86,81.28 ; D122.B4 96.79,80.21 ; D122.B4 96.79,82.35 ; 248.12,96.52 D105.A6 ; D105.A6 249.19,97.59 ; D105.A6 250.26,96.52 ; D105.A6 249.19,95.45 ; 98.26,58.42 D123.B5 ; D123.B5 99.33,59.49 ; D123.B5 99.33,57.35 ; D123.B5 100.4,58.42 ; 251.73,395.17 D112.A11 ; D112.A11 251.73,397.31 ; D112.A11 250.66,396.24 ; D112.A11 252.8,396.24 ; D108.B15 273.12,38.1 ; D108.B15 272.05,37.03 ; D108.B15 270.98,38.1 ; D108.B15 272.05,39.17 ; D122.A15 124.73,74.73 ; D122.A15 124.73,72.59 ; D122.A15 125.8,73.66 ; D122.A15 123.66,73.66 ; D101.B5 174.06,99.06 ; D101.B5 171.92,99.06 ; D101.B5 172.99,100.13 ; D101.B5 172.99,97.99 ; 128.74,406.4 D428.A1 ; D428.A1 130.88,406.4 ; D428.A1 129.81,405.33 ; D428.A1 129.81,407.47 ; 194.78,368.3 D115.B4 ; D115.B4 196.92,368.3 ; D115.B4 195.85,369.37 ; D115.B4 195.85,367.23 ; 112.03,397.71 D428.B8 ; D428.B8 110.96,398.78 ; D428.B8 112.03,399.85 ; D428.B8 113.1,398.78 ; D118.B13 47.06,78.74 ; D118.B13 44.92,78.74 ; D118.B13 45.99,79.81 ; D118.B13 45.99,77.67 ; 183.15,374.85 D115.A9 ; D115.A9 182.08,375.92 ; D115.A9 183.15,376.99 ; D115.A9 184.22,375.92 ; D113.A1 203.47,336.35 ; D113.A1 203.47,334.21 ; D113.A1 204.54,335.28 ; D113.A1 202.4,335.28 ; D124.B15 125.8,38.1 ; D124.B15 124.73,37.03 ; D124.B15 124.73,39.17 ; D124.B15 123.66,38.1 ; 19.18,347.48 UHC230.G4_11 ; UHC230.G4_11 18.37,348.29 ; UHC230.G4_11 19.99,348.29 ; UHC230.G4_11 19.18,349.1 ; D118.A16 54.68,76.2 ; D118.A16 53.61,75.13 ; D118.A16 53.61,77.27 ; D118.A16 52.54,76.2 ; 198.39,334.21 D113.A3 ; D113.A3 198.39,336.35 ; D113.A3 197.32,335.28 ; D113.A3 199.46,335.28 ; D117.A8 34.36,96.52 ; D117.A8 33.29,95.45 ; D117.A8 33.29,97.59 ; D117.A8 32.22,96.52 ; CSDPS226.B6 118.18,353.06 ; CSDPS226.B6 117.11,354.13 ; CSDPS226.B6 117.11,351.99 ; CSDPS226.B6 116.04,353.06 ; D120.B8 33.29,41.71 ; D120.B8 33.29,39.57 ; D120.B8 32.22,40.64 ; D120.B8 34.36,40.64 ; 116.04,373.38 D227.A6 ; D227.A6 117.11,372.31 ; D227.A6 118.18,373.38 ; D227.A6 117.11,374.45 ; D428.A15 94.25,407.47 ; D428.A15 95.32,406.4 ; D428.A15 94.25,405.33 ; D428.A15 93.18,406.4 ; D114.A2 200.93,354.13 ; D114.A2 202,353.06 ; D114.A2 200.93,351.99 ; D114.A2 199.86,353.06 ; D227.A4 122.19,374.45 ; D227.A4 123.26,373.38 ; D227.A4 121.12,373.38 ; D227.A4 122.19,372.31 ; D231.B7 40.91,371.91 ; D231.B7 41.98,370.84 ; D231.B7 39.84,370.84 ; D231.B7 40.91,369.77 ; D120.B13 45.99,39.17 ; D120.B13 47.06,38.1 ; D120.B13 44.92,38.1 ; D120.B13 45.99,37.03 ; 268.44,81.28 D106.B14 ; D106.B14 269.51,80.21 ; D106.B14 269.51,82.35 ; D106.B14 270.58,81.28 ; D431.A13 25.67,387.15 ; D431.A13 26.74,386.08 ; D431.A13 25.67,385.01 ; D431.A13 24.6,386.08 ; D432.B1 57.22,401.32 ; D432.B1 56.15,400.25 ; D432.B1 56.15,402.39 ; D432.B1 55.08,401.32 ; 116.04,332.74 CSDPS225.B6 ; CSDPS225.B6 117.11,331.67 ; CSDPS225.B6 